# Altium PCB ESP8266.PcbDoc
Units mil, origin at the board's own origin, x right, y up, seen from the top; angles counter-clockwise.
Board outline 1973.53 x 2367.23 mil, 2 copper layers (Top Layer, Bottom Layer); 39 components, 30 nets, 171 pads, 42 vias.
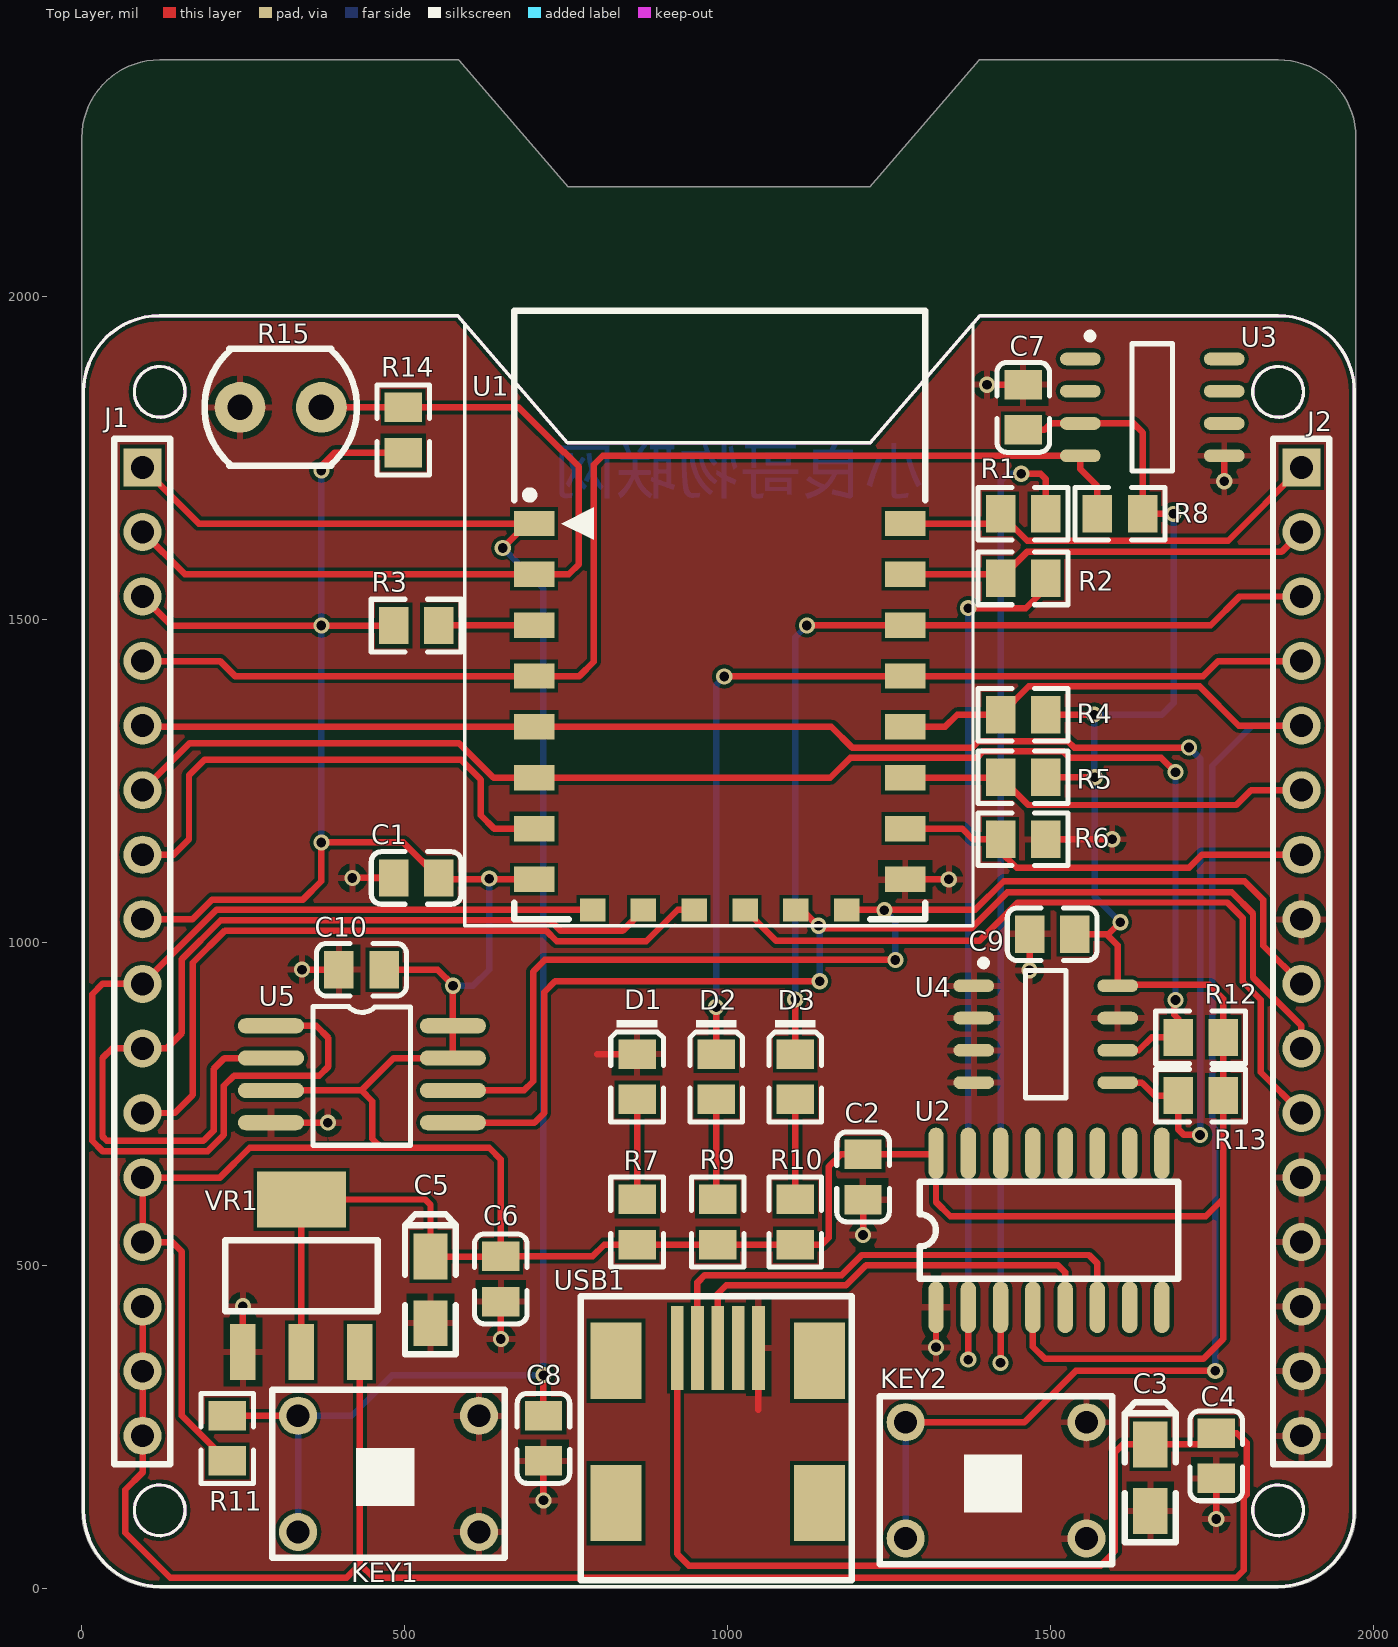
[diagram p0: Top Layer view]
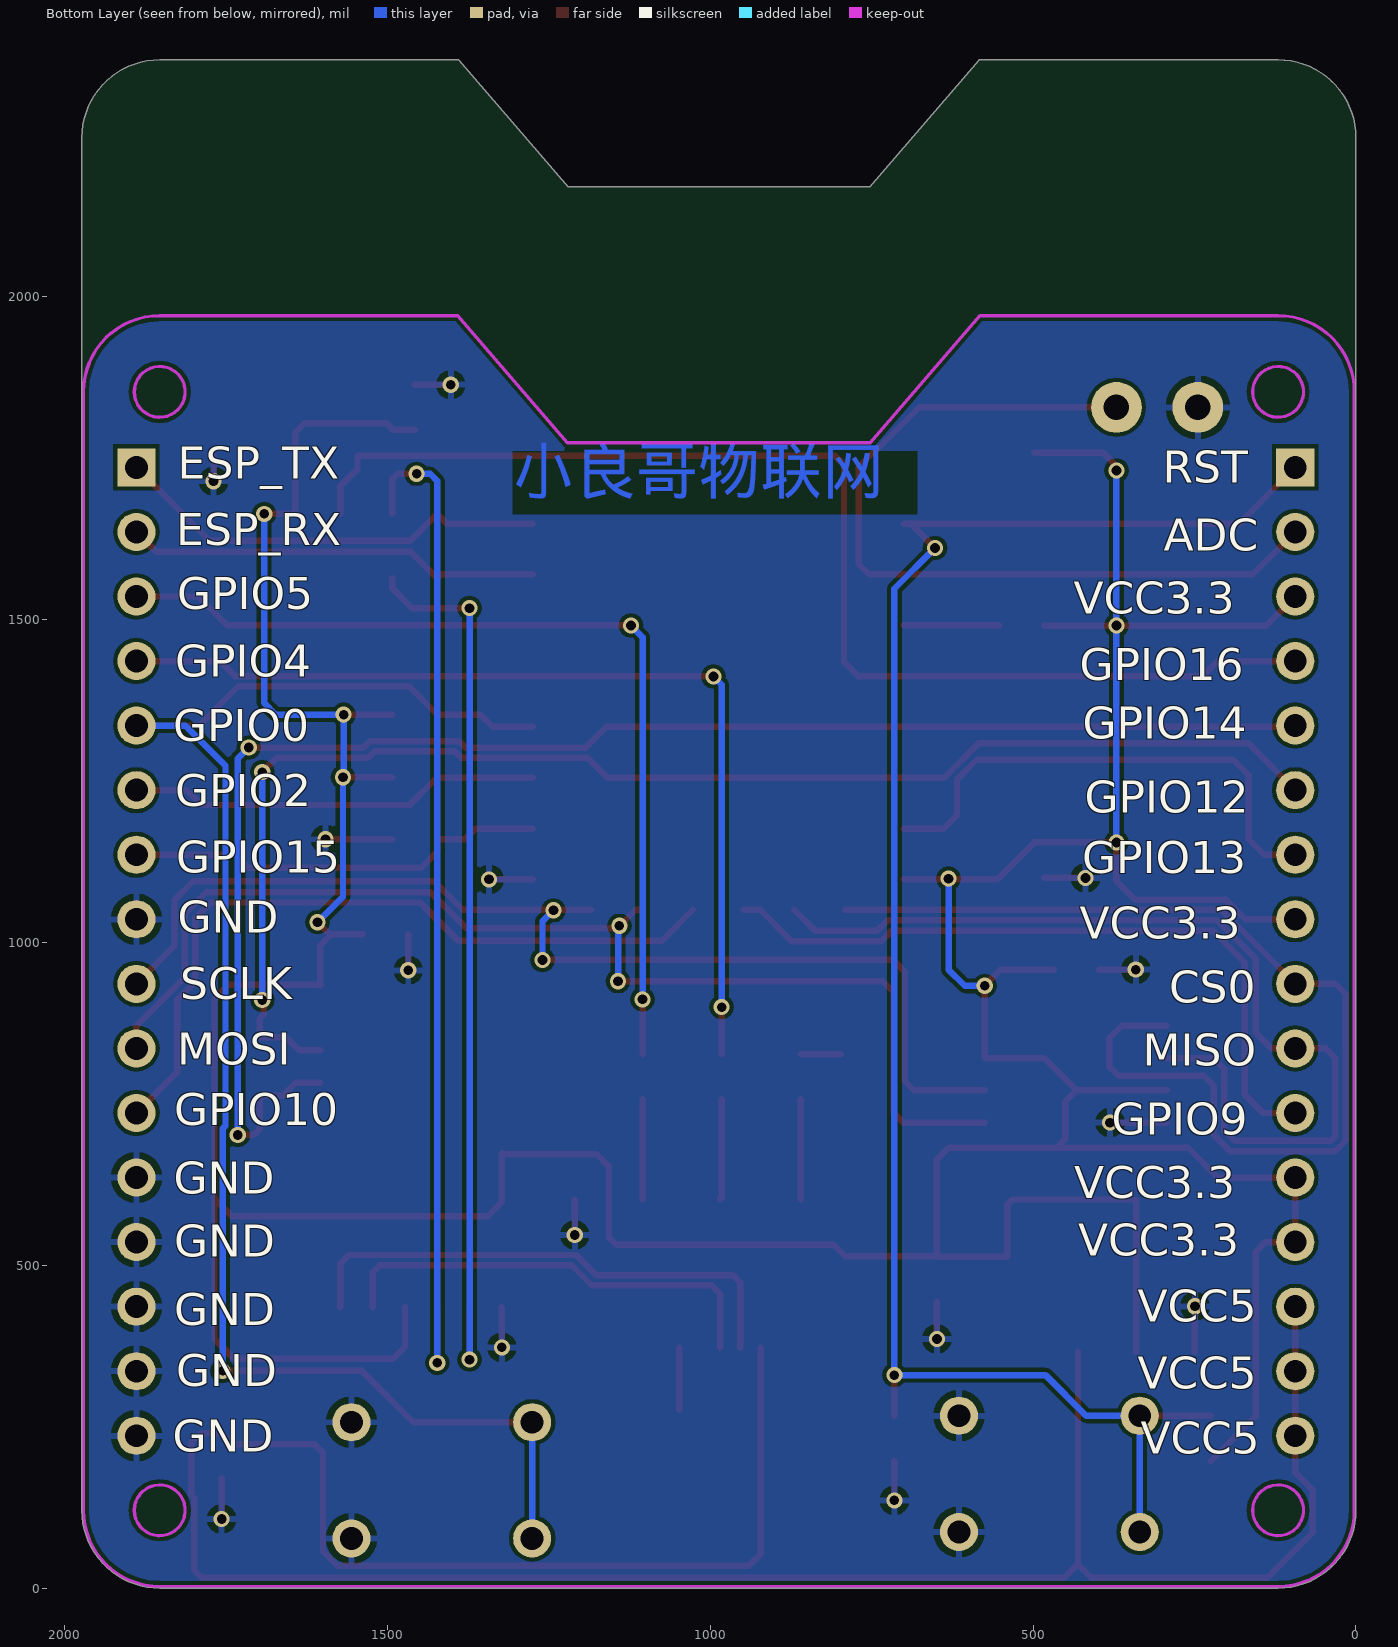
[diagram p1: Bottom Layer view, seen from below]

## Layer stack, top to bottom
Top Solder: solder mask 0.4, Solder Resist, Dk 3.5
Top Layer: signal copper 1.4
Dielectric 1: dielectric 12.6, FR-4, Dk 4.8
Bottom Layer: signal copper 1.4
Bottom Solder: solder mask 0.4, Solder Resist, Dk 3.5

## Board outline
120.61,-0.01 cw(c120.61,120.61) -0.01,120.61 -0.01,2246.59 cw(c120.61,2246.59) 120.61,2367.22 582.53,2367.22 cw(c582.53,2364.7) 584.43,2366.35 584.44,2366.34 ccw(c582.53,2364.7) 584.43,2366.35 584.44,2366.34 753.25,2170.37 1220.25,2170.37 1389.06,2366.34 cw(c1390.98,2364.7) 1389.08,2366.35 cw(c1390.98,2364.7) 1390.98,2367.22 1852.89,2367.22 cw(c1852.89,2246.59) 1973.52,2246.59 1973.52,120.61 cw(c1852.89,120.61) 1852.89,-0.01

## Design rules (kind name [scope] priority, off if disabled: settings)
Clearance [All] p1: gap=6 ignorepadtopadclearanceinfootprint=FALSE except(0: Arc-Text Track-Text SMDPad-Text THPad-Text Via-Text Fill-Text Poly-Text Region-Text Text-Text Text-Hole)
PolygonConnect [All] p1: connectstyle=Relief reliefconductorwidth=10 reliefentries=4 polygonreliefangle="90 Angle" airgapwidth=10
RoutingVias [All] p1: holewidth=23 width=12 viastyle="Through Hole" minholewidth=23 minwidth=12 maxholewidth=25 maxwidth=15
SolderMaskExpansion [All] p1: expansion=4
Width [All] p1: maxlimit=10 minlimit=6 preferedwidth=6
30 further rules are at their usual default settings.

## Components (designator, comment, footprint, x,y, rotation, side; value= is the part's Value field where it differs from the comment)
C1 "100nF" LC-0805_C 518,1100 r0 top
C2 "100nF" LC-0805_C 1210,637 r90 top
C3 "10uF" LC-CASE-A_3216 1655,171 r90 top
C4 "100nF" LC-0805_C 1757,205 r90 top
C5 "10uF" LC-CASE-A_3216 540,462 r90 top
C6 "100nF" LC-0805_C 649,479 r90 top
C7 "100nF" LC-0805_C 1458,1829 r270 top
C8 "100nF" LC-0805_C 715,232.04 r90 top
C9 "100nF" LC-0805_C 1503,1013 r180 top
C10 "100nF" LC-0805_C 433.04,958 r180 top
D1 "红灯 0805" LC-0805_LED_S1 860,792 r270 top
D2 "蓝灯 0805" LC-0805_LED_S1 982.5,792 r270 top
D3 "翠绿 0805" LC-0805_LED_S1 1105,792 r270 top
J1 "HEARD1X15" HDR1X16 94,986 r270 top
J2 "HEARD1X15" HDR1X16 1889,986 r270 top
KEY1 "KEY" KEY_直插_6*6 475,177 r180 top
KEY2 "KEY" KEY_直插_6*6 1416,167 r180 top
R1 "300Ω" LC-0805_R 1458,1664 r0 top
R2 "300Ω" LC-0805_R 1458,1564 r0 top
R3 "4.7KΩ" LC-0805_R 518,1491 r0 top
R4 "4.7KΩ" LC-0805_R 1458,1353 r0 top
R5 "4.7KΩ" LC-0805_R 1458,1256 r0 top
R6 "4.7KΩ" LC-0805_R 1458,1160 r0 top
R7 "1KΩ" LC-0805_R 860,567.04 r90 top
R8 "4.7KΩ" LC-0805_R 1608,1664 r180 top
R9 "1KΩ" LC-0805_R 985,567.04 r90 top
R10 "1KΩ" LC-0805_R 1105,567 r90 top
R11 "1KΩ" LC-0805_R 225,232 r90 top
R12 "4.7KΩ" LC-0805_R 1733,853 r0 top
R13 "4.7KΩ" LC-0805_R 1733,763 r0 top
R14 "4.7KΩ" LC-0805_R 498,1794 r270 top
R15 "GL5637" "Through Hole" 308,1829 r180 top
U1 "ESP12F" ESP6266 983,1509 r0 top
U2 "CH340" SOIC-16_150MIL 1500,552 r90 top
U3 "DS18B20Z+T&R" SOIC-8_150mil 1658,1829 r0 top
U4 "AT24C02" SOIC-8_150mil 1493,858 r0 top
U5 "W25Q64" SOIC-8_208MIL 428,803 r0 top
USB1 "USB_5P" USB_5P 985,252 r270 top
VR1 "AMS1117-3.3" LC-SOT-223 340,483.89 r270 top

## Footprints (in the part's own frame and the unit in brackets; to place one, negate y for a bottom-side part, rotate by r counter-clockwise, add the part's x,y. Pads: shape width x height; smd on the part's side, far side on the other; paste and mask are expansions set on the pad)
ESP6266 [mm]
  rect 1.6x1 smd: 1(-7.174,3.556) 2(-7.174,1.556) 3(-7.174,-0.444) 4(-7.174,-2.444) 5(-7.174,-4.444) 6(-7.174,-6.444) 7(-7.174,-8.444) 8(-7.174,-10.444) 15(7.426,-10.444) 16(7.426,-8.444) 17(7.426,-6.444) 18(7.426,-4.444) 19(7.426,-2.444) 20(7.426,-0.444) 21(7.426,1.556) 22(7.426,3.556)
  rect 1x0.9 smd: 9(-4.874,-11.644) 10(-2.874,-11.644) 11(-0.874,-11.644) 12(1.126,-11.644) 13(3.126,-11.644) 14(5.126,-11.644)
  silkscreen extent -7.96,-12.01 8.21,11.93, body extent -7.87,-11.93 8.13,12.07, height 2.75
HDR1X16 [mm]
  rect 1.5x1.5 hole 0.9: 1(-19.05,0)
  round 1.5 hole 0.9: 2(-16.51,0) 3(-13.97,0) 4(-11.43,0) 5(-8.89,0) 6(-6.35,0) 7(-3.81,0) 8(-1.27,0) 9(1.27,0) 10(3.81,0) 11(6.35,0) 12(8.89,0) 13(11.43,0) 14(13.97,0) 15(16.51,0) 16(19.05,0)
  silkscreen extent -20.17,-1.12 20.17,1.09, body extent -20.29,-1.27 20.29,1.25, height 8.54
KEY_直插_6*6 [mm]
  round 1.5 hole 0.9: 1(-3.556,-2.286) 1(-3.556,2.286) 2(3.556,-2.286) 2(3.556,2.286)
  silkscreen extent -4.57,-3.3 4.57,3.3, body extent -3.96,-3.1 3.96,3.1, height 4.5
LC-0805_C [mm]
  rect 1.16x1.47 smd: 1(-0.89,0) 2(0.89,0)
  silkscreen extent -1.77,-1.04 1.77,1.04, body extent -1,-0.62 1,0.63, height 0.77
LC-0805_LED_S1 [mm]
  rect 1.16x1.47 smd: A(0.89,0) K(-0.89,0)
  silkscreen extent -2.25,-1.04 1.77,1.03, body extent -1.01,-0.62 1.01,0.62, height 1.1
LC-0805_R [mm]
  rect 1.16x1.47 smd: 1(-0.89,0) 2(0.89,0)
  silkscreen extent -1.77,-1.04 1.77,1.03, body extent -1,-0.62 1,0.63, height 0.49
LC-CASE-A_3216 [mm]
  rect 1.8x1.35 smd: 1(1.31,0) 2(-1.31,0)
  silkscreen extent -2.54,-1 2.97,1, body extent -1.7,-0.84 1.7,0.84, height 1.71
LC-SOT-223 [mm]
  rect 2.2x1 smd: 1(3,-2.3) 2(3,0) 3(3,2.3)
  rect 2.2x3.5 smd: 2(-3,0)
  silkscreen extent -1.4,-3 1.4,3, body extent -3.49,-3.24 3.49,3.24, height 1.64
SOIC-8_150mil [mm]
  oval 1.6x0.5 smd: 1(-2.831,1.905) 2(-2.831,0.635) 3(-2.831,-0.635) 4(-2.831,-1.905) 5(2.831,-1.905) 6(2.831,-0.635) 7(2.831,0.635) 8(2.831,1.905)
  silkscreen extent -2.57,-2.5 0.8,2.93, body extent -2.99,-2.45 3,2.45, height 1.55
SOIC-8_208MIL [mm]
  oval 2.6x0.6 smd: 1(-3.429,1.727) 2(-3.429,0.457) 3(-3.429,-0.813) 4(-3.429,-2.083) 5(3.727,-2.083) 6(3.727,-0.813) 7(3.727,0.457) 8(3.727,1.727)
  silkscreen extent -1.78,-2.97 2.06,2.49, body extent -3.07,-2.68 3.13,2.32, height 1.75
SOIC-16_150MIL [mil]
  oval 80x24 smd: 1(-117,177) 2(-117,127) 3(-117,77) 4(-117,27) 5(-117,-23) 6(-117,-73) 7(-117,-123) 8(-117,-173) 9(121.5,-173) 10(121.5,-123) 11(121.5,-73) 12(121.5,-23) 13(121.5,27) 14(121.5,77) 15(121.5,127) 16(121.5,177)
  silkscreen extent -73,-198 77,202, body extent -149,-218 151,222, height 87
"Through Hole" [mm]
  round 2 hole 1: 1(-1.6,0) 2(1.6,0)
  silkscreen extent -3,-2.3 3,2.3
USB_5P [mm]
  rect 3.3x0.5 smd: 1(-3.054,-1.6) 2(-3.054,-0.8) 3(-3.054,0) 4(-3.054,0.8) 5(-3.054,1.6)
  rect 3x2 smd: 6(-2.546,-4) 7(-2.546,4) 8(3.054,4) 8(3.054,-4)
  silkscreen extent -5.09,-5.4 6.09,5.27, body extent -3.13,-5.12 6.12,4.78, height 3.93

## Part data
C1 C2 C4 C6 C7 C8 C9 C10: library part "0805 100nF(104) 10% 50V", "贴片电容", Package=0805, SuppliersPartNumber=C49678, ComponentLink1Description=¹©Ó, ComponentLink1URL=http://www.szlcsc.com/product/details_50686.html, Supplier=LC
C3 C5: library part "3216 10uF (106) 10% 16V", "钽电容", Package=3216, SuppliersPartNumber=C7171, ComponentLink1Description=¹©Ó, ComponentLink1URL=http://www.szlcsc.com/product/details_7643.html, Supplier=LC
D1: library part "0805 红灯", "发光二极管", Package=0805, SuppliersPartNumber=C2295, ComponentLink1Description=¹©Ó, ComponentLink1URL=http://www.szlcsc.com/product/details_2668.html, Supplier=LC
D2: library part "0805 蓝灯", "发光二极管", Package=0805, SuppliersPartNumber=C2293, ComponentLink1Description=¹©Ó, ComponentLink1URL=http://www.szlcsc.com/product/details_2666.html, Supplier=LC
D3: library part "0805 翠绿", "发光二极管", Package=0805, SuppliersPartNumber=C2297, ComponentLink1Description=¹©Ó, ComponentLink1URL=http://www.szlcsc.com/product/details_2670.html, Supplier=LC
J1 J2: library part HEARD1X16
R1 R2 R3 R4 R5 R6 R8 R12 R13 R14: library part "0805 4.7KΩ (4701) 1%", "贴片电阻", Package=0805, SuppliersPartNumber=C17673, ComponentLink1Description=¹©Ó, ComponentLink1URL=http://www.szlcsc.com/product/details_18361.html, Supplier=LC
R7 R9 R10 R11: library part "0805 1KΩ (1001) 1%", "贴片电阻", Package=0805, SuppliersPartNumber=C17513, ComponentLink1Description=¹©Ó, ComponentLink1URL=http://www.szlcsc.com/product/details_18201.html, Supplier=LC
U1: library part ESP8266
VR1: library part "SOT-223 AMS1117-3.3", "低压差线性稳压(LDO)", Package=SOT-223, SuppliersPartNumber=C6186, ComponentLink1Description=¹©Ó, ComponentLink1URL=http://www.szlcsc.com/product/details_6652.html, Supplier=LC

## Via types
v1: diameter 25, hole 15, Top Layer to Bottom Layer, 42 vias

## Nets (pads, with @x,y where several pads share a name; then routed paths per layer and width w, separated by ;. In a path a pad name is that pad's centre, name@x,y a point inside that pad or via, vN(x,y) a via of type N, cw(c..) or ccw(c..) an arc to the next point about the centre after c; other vN are vias at no path point)
340_RX: R1.2 U2.3 | length 1583.9
  Top Layer w10: v1(1423,349) U2.3 ; v1(1455,1726) 1485,1726 1493.04,1717.96 R1.2
  Bottom Layer w10: v1(1423,349) 1423,1715 1434,1726 v1(1455,1726)
340_TX: R2.2 U2.2 | length 1392.9
  Top Layer w10: v1(1373,354) U2.2 ; v1(1373,1518) 1462,1518 1493.04,1549.04 R2.2
  Bottom Layer w10: v1(1373,354) v1(1373,1518)
ADC: J1.2 R14.1 R15.1 U1.2 | length 1297.9
  Top Layer w10: J1.2 159.74,1570.26 U1.2 754.26,1570.26 770,1586 770,1737 747.63,1759.37 745.98,1759.37 676.31,1829.04 R14.1 R14.1 R15.1
CS0: J1.9 U1.9 U5.1 | length 1668.5
  Top Layer w10: U5.1 363,871 382,852 382,808 367.81,793.81 235.81,793.81 220,778 220,702 195,677 32,677 16,693 16,920 32,936 J1.9 208.57,1050.57 U1.9
D+: U2.5 USB1.3 | length 698.5
  Top Layer w10: USB1.3 985,456 998,469 1183.63,469 1214.63,500 1512,500 1523,489 U2.5
D-: U2.6 USB1.2 | length 811.8
  Top Layer w10: USB1.2 953.5,473.5 965,485 1177,485 1208,516 1560,516 1573,503 U2.6
ESP_RX: J2.2 R2.1 U1.21 | length 646.1
  Top Layer w10: U1.21 1416.7,1570.26 R2.1 1463.96,1605 1858,1605 J2.2
ESP_TX: J2.1 R1.1 U1.22 | length 684.1
  Top Layer w10: U1.22 1407.96,1649 R1.1 1464.48,1622.48 1775.48,1622.48 J2.1
GND: C1.1 C2.1 C3.2 C4.1 C5.2 C6.1 C7.1 C8.1 C9.2 C10.2 D1.K J2.8 J2.12 J2.13 J2.14 J2.15 J2.16 KEY1.1 KEY2.1 R6.2 R15.2 U1.15 U2.1 U3.5 U4.1 U4.2 U4.3 U4.4 U4.7 U5.4 USB1.5 VR1.1 | length 1058.7
  Top Layer w10: VR1.1 v1(249.45,436.55) ; U5.4 v1(381,721) ; v1(341,958) C10.2 ; v1(419,1100) C1.1 ; v1(649,386) C6.1 ; v1(715,136) C8.1 ; 798.04,827.04 D1.K ; 1047.99,275.99 USB1.5 ; v1(1210,547) C2.1 ; U1.15 v1(1342.82,1097.82) ; v1(1323,373) U2.1 ; v1(1402.04,1864.04) C7.1 ; v1(1467.96,957.04) C9.2 ; R6.2 v1(1596,1160) ; v1(1757,107) C4.1 ; v1(1769.46,1714.46) U3.5
GPIO0: J2.5 KEY2.2 R4.1 U1.18 | length 2460.3
  Top Layer w10: U1.18 1337.04,1334.04 1356,1353 R4.1 1466.74,1396.78 1731.22,1396.78 1792,1336 J2.5 ; KEY2.2@1276,257 1460,257 1539.5,336.5 v1(1755.5,336.5)
  Bottom Layer w10: KEY2.2@1276,77 KEY2.2@1276,257 ; v1(1755.5,336.5) 1755.5,711.73 1751,716.23 1751,1274 1813,1336 J2.5
GPIO2: J2.6 R5.1 U1.17 | length 641.3
  Top Layer w10: U1.17 1422.26,1255.3 R5.1 1465.96,1213 1788,1213 1811,1236 J2.6
GPIO4: D2.K J2.4 U1.19 | length 1498.6
  Top Layer w10: D2.K v1(982.5,900) v1@982.5,904.5 ; v1(995,1412) 995.78,1412.78 U1.19 1736.78,1412.78 1760,1436 J2.4
  Bottom Layer w10: v1(982.5,900) 982.5,1399.5 v1(995,1412)
GPIO5: D3.K J2.3 U1.20 | length 1456.1
  Top Layer w10: D3.K v1(1105,912) ; v1(1123,1491) 1123.52,1491.52 U1.20 1748.52,1491.52 1793,1536 J2.3
  Bottom Layer w10: v1(1105,912) 1105,1473 v1(1123,1491)
GPIO9: J1.11 U1.11 | length 1118.6
  Top Layer w10: J1.11 144,736 172,764 172,968.75 221.83,1018.57 718.8,1018.57 735.37,1002 874.23,1002 922.81,1050.57 U1.11
GPIO10: J2.11 U1.12 | length 1164.9
  Top Layer w10: U1.12 1075.41,1002.5 1390.13,1002.5 1449.63,1062 1774,1062 1798,1038 1798,939.37 1826,911.37 1826,799 J2.11
GPIO12: J1.6 R12.1 U1.6 U4.6 | length 2198.6
  Top Layer w10: J1.6 167,1309 584,1309 637.7,1255.3 U1.6 1159.3,1255.3 1189.98,1285.98 1385.62,1285.98 1395.57,1295.94 1520.43,1295.94 1530.38,1285.98 1672.02,1285.98 v1(1694,1264) ; U4.6 1637,833 1657,853 R12.1 1697.96,882.04 1692,888 1692,909 v1(1694,911)
  Bottom Layer w10: v1(1694,911) v1(1694,1264)
GPIO13: J1.7 U1.7 | length 802
  Top Layer w10: J1.7 142,1136 166,1160 166,1259 190,1283 587.37,1283 618,1252.37 618,1197 638.44,1176.56 U1.7
GPIO14: J1.5 R13.1 U1.5 U4.5 | length 2445.9
  Top Layer w10: J1.5 95.96,1334.04 U1.5 1160.96,1334.04 1193,1302 1379.01,1302 1388.94,1311.94 1527.06,1311.94 1536.99,1302 v1(1715,1302) v1@1719,1302 ; U4.5 1642,783 1662,763 R13.1 1697.96,711.04 1707,702 v1(1732,702)
  Bottom Layer w10: v1(1715,1302) 1732,1285 v1(1732,702)
GPIO15: J2.7 R6.1 U1.16 | length 658.1
  Top Layer w10: U1.16 1363.44,1176.56 1380,1160 R6.1 1422.96,1141.04 1448,1116 1715,1116 1735,1136 J2.7
GPIO16: J1.4 R8.2 U1.4 U3.4 | length 1883.1
  Top Layer w10: J1.4 214,1436 237.22,1412.78 U1.4 770.78,1412.78 793,1435 793,1740 807,1754 U3.4 1546.54,1733.46 1572.96,1707.04 R8.2
MISO: J1.10 U1.10 U5.2 | length 1507.7
  Top Layer w10: U5.2 221,821 204,804 204,708.63 188.37,693 38.63,693 32,699.63 32,821 47,836 J1.10 131,836 155,860 155,974.37 215.2,1034.57 725.43,1034.57 742,1018 837.28,1018 U1.10
MOSI: J2.10 U1.13 U5.5 | length 1852.2
  Top Layer w10: U5.5 701,721 716,736 716,923 733,940 v1(1143,940) ; U1.13 1115.43,1050.57 1144.14,1021.86 1377.49,1021.86 1433.63,1078 1781,1078 1814,1045 1814,946 1889,871 J2.10
  Bottom Layer w10: v1(1141,1026) 1143,1024 v1(1143,940)
NetD1_A: D1.A R7.2 | length 154.9
  Top Layer w10: R7.2 D1.A
NetD2_A: D2.A R9.2 | length 155.9
  Top Layer w10: D2.A 982.5,604.58 R9.2
NetD3_A: D3.A R10.2 | length 154.9
  Top Layer w10: R10.2 D3.A
NetR3_2: R3.2 U1.3 | length 147.7
  Top Layer w10: R3.2 553.56,1491.52 U1.3
RST: C8.2 J1.1 KEY1.2 R11.2 U1.1 | length 2762.5
  Top Layer w10: J1.1 181,1649 U1.1@690,1649 ; R11.2 334.96,267.04 KEY1.2@335,267 ; v1(652,1611) U1.1@690,1649 ; U1.1 U1.1@690,1649 ; C8.2 v1(715,330)
  Bottom Layer w10: KEY1.2@335,87 335,267 418,267 481,330 v1(715,330) 715,1548 v1(652,1611)
SCLK: J2.9 U1.14 U5.6 | length 1782.6
  Top Layer w10: U5.6 685,771 699,785 699,955 717,973 v1(1260,973) ; U1.14 1383.57,1050.57 1428,1095 1801,1095 1830,1066 1830,995 J2.9
  Bottom Layer w10: v1(1243,1050) 1260,1033 v1(1260,973)
VCC3.3: C1.2 C2.2 C5.1 C6.2 C7.2 C9.1 C10.1 J1.3 J1.8 J1.12 J1.13 R3.1 R4.2 R5.2 R7.1 R8.1 R9.1 R10.1 R11.1 R12.2 R13.2 R14.2 U1.8 U2.4 U2.16 U3.3 U4.8 U5.3 U5.7 U5.8 VR1.2 | length 8423.9
  Top Layer w10: J1.8 171.37,1036 201.95,1066.57 342.57,1066.57 371,1095 v1(371,1155) 498.04,1155 C1.2 555.22,1097.82 U1.8 ; J1.3 139,1491 v1(371,1491) R3.1 ; R11.1 155,266.96 155,521 140,536 J1.13 J1.12 214,636 260,682 464,682 ; U5.3 433,771 ; VR1.2@340,365.78 340,602 532,602 540,594 C5.1 648.54,513.57 C6.2 ; v1@372,1739 391.96,1758.96 R14.2 ; C10.1 551,958 574.72,934.28 U5.8 U5.7 483,821 433,771 ; C7.2 1490.96,1793.96 1501,1804 U3.3 1629,1804 1643.04,1789.96 R8.1 v1(1691,1664) ; U2.4 1473,374 1492,355 1737,355 1768.04,386.04 1768.04,603 ; R5.2 v1(1569,1256) ; R4.2 v1(1568,1353) ; C9.1 1587,1013 ; v1(1608.5,1031.5) 1590,1013 1587,1013 ; 433,771 450,754 450,696 464,682 ; 464,682 631,682 649,664 C6.2 ; C6.2 791.04,514.04 809,532 R7.1 R9.1 R10.1 R10.1 1145.96,531.96 1157,543 1157,653 1176.04,672.04 C2.2 1321.54,672.04 U2.16 1323,598 1345,576 1741.04,576 1768.04,603 ; 1587,1013 1604.46,995.54 U4.8 1605.96,934.5 1746.5,934.5 1768.04,912.96 R12.2 R13.2 1768.04,603
  Bottom Layer w10: v1(371,1155) v1(371,1491) v1(371,1731) ; v1(575,933) 606,933 631,958 v1(631,1099) ; v1(1608.5,1031.5) 1569,1071 v1(1569,1256) 1568,1257 v1(1568,1353) 1673,1353 1691,1371 v1(1691,1664)
VCC5: C3.1 C4.2 J1.14 J1.15 J1.16 USB1.1 VR1.3 | length 4062.7
  Top Layer w10: J1.14 J1.15 J1.16 94,179.13 67.28,152.41 67.28,85.72 137,16 410,16 430.55,36.55 430.55,37.45 ; VR1.3 430.55,37.45 ; USB1.1 922.01,53 940.01,35 1578,35 1600,57 1600,210 1612.57,222.57 C3.1 1739.54,222.57 C4.2 1788.96,240.04 1804,225 1804,144.56 1799.57,140.13 1799.57,27.57 1788,16 452,16 430.55,37.45
pads on no net: U2.7 U2.8 U2.9 U2.10 U2.11 U2.12 U2.13 U2.14 U2.15 U3.1 U3.2 U3.6 U3.7 U3.8 USB1.4 USB1.6 USB1.7 USB1.8

## Polygon pours and split planes (outlines as drawn)
GND on Bottom Layer "Bottom Layer-GND" (solid, remove dead copper, pour order 8): 0,2143 0,0 1995,0 2040,45 2040,2146
GND on Top Layer "Top Layer-GND" (solid, remove dead copper, pour order 10): 0,2052 0,0 2070,0 2070,2035 2060,2045

## Keep-outs
Keep-Out Layer:
  circle w5: c1852.89,120.61 r39.37
  circle w5: c120.61,120.61 r39.37
  circle w5: c1852.89,1852.89 r39.37
  circle w5: c120.61,1852.89 r39.37
  lines w5: 2.5,120.61 ccw(c120.61,120.61) 120.61,2.5 1852.89,2.5 ccw(c1852.89,120.61) 1971,120.61 1971,1852.89 ccw(c1852.89,1852.89) 1852.89,1971 1390.98,1971 1221.4,1774.15 752.1,1774.15 582.53,1971 120.61,1971 ccw(c120.61,1852.89) 2.5,1852.89 2.5,120.61

## Other copper
Bottom Layer:
  text "小良哥物联网" at 1307,1673 h120

## Silkscreen, mask and mechanical layers (free items; w line width, h text height)
Top Overlay:
  circle w5: c1852.89,120.61 r39.37
  circle w5: c120.61,120.61 r39.37
  circle w5: c1852.89,1852.89 r39.37
  circle w5: c120.61,1852.89 r39.37
  lines w5: 593.05,1958.79 593.05,1026.12 1380.45,1026.12 1380.45,1958.79 ; 2.5,120.61 ccw(c120.61,120.61) 120.61,2.5 1852.89,2.5 ccw(c1852.89,120.61) 1971,120.61 1971,1852.89 ccw(c1852.89,1852.89) 1852.89,1971 1390.98,1971 1221.4,1774.15 752.1,1774.15 582.53,1971 120.61,1971 ccw(c120.61,1852.89) 2.5,1852.89 2.5,120.61
Bottom Overlay:
  text "ESP_TX" at 1825,1718 h50
  text "RST" at 299,1712 h50
  text "ESP_RX" at 1827,1615 h50
  text "ADC" at 298,1607 h50
  text "GPIO5" at 1826,1516 h50
  text "VCC3.3" at 437,1509 h50
  text "GPIO4" at 1829,1412 h50
  text "GPIO16" at 428,1406 h50
  text "GPIO14" at 423,1316 h50
  text "GPIO0" at 1832,1312 h50
  text "GPIO2" at 1829,1211 h50
  text "GPIO12" at 420,1201 h50
  text "GPIO15" at 1827,1108 h50
  text "GPIO13" at 424,1107 h50
  text "GND" at 1825,1015 h50
  text "VCC3.3" at 428,1006 h50
  text "SCLK" at 1821,912 h50
  text "CS0" at 289,907 h50
  text "MOSI" at 1826,811 h50
  text "MISO" at 330,809 h50
  text "GPIO10" at 1830,717 h50
  text "GPIO9" at 378,702 h50
  text "GND" at 1831,611 h50
  text "VCC3.3" at 436,604 h50
  text "VCC3.3" at 430,515 h50
  text "GND" at 1830,513 h50
  text "VCC5" at 338,413 h50
  text "GND" at 1830,407 h50
  text "GND" at 1827,313 h50
  text "VCC5" at 338,309 h50
  text "GND" at 1833,211 h50
  text "VCC5" at 333,208 h50
Bottom Solder:
  text "小良哥物联网" at 1307,1673 h120

## Text inside footprints (layer, text, board x,y; h text height)
U1: Mechanical 13 "ANTENNA AREA" at 732,1957 h10; Mechanical 13 "CUTOUT POLYGON" at 732,1937 h10